# KiCad board pi60_HSE_v1.1.kicad_pcb
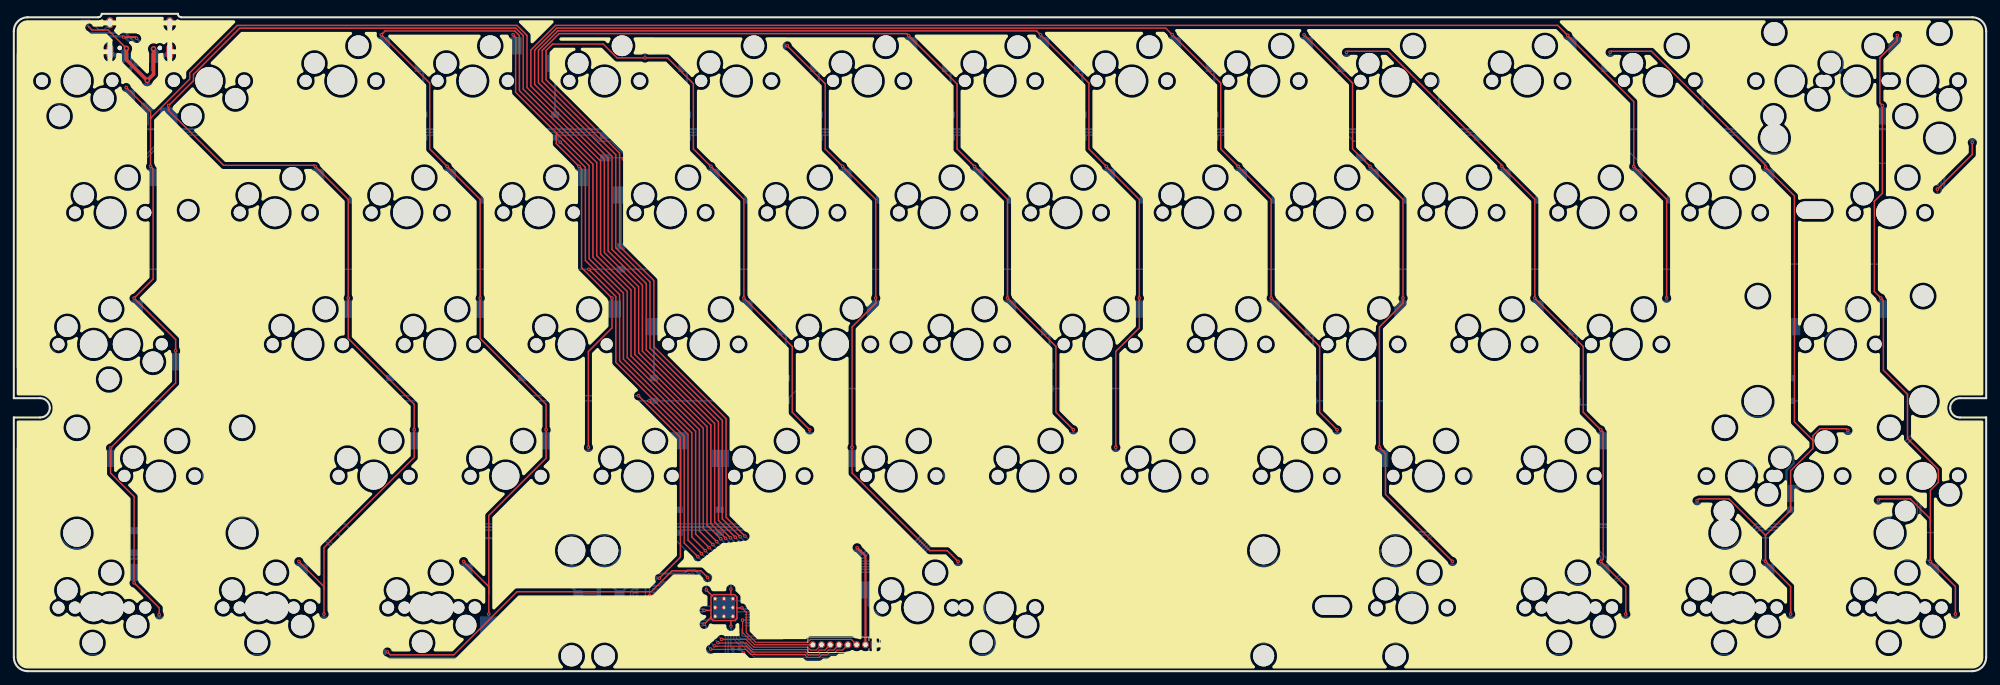
[diagram p0: board, top side]
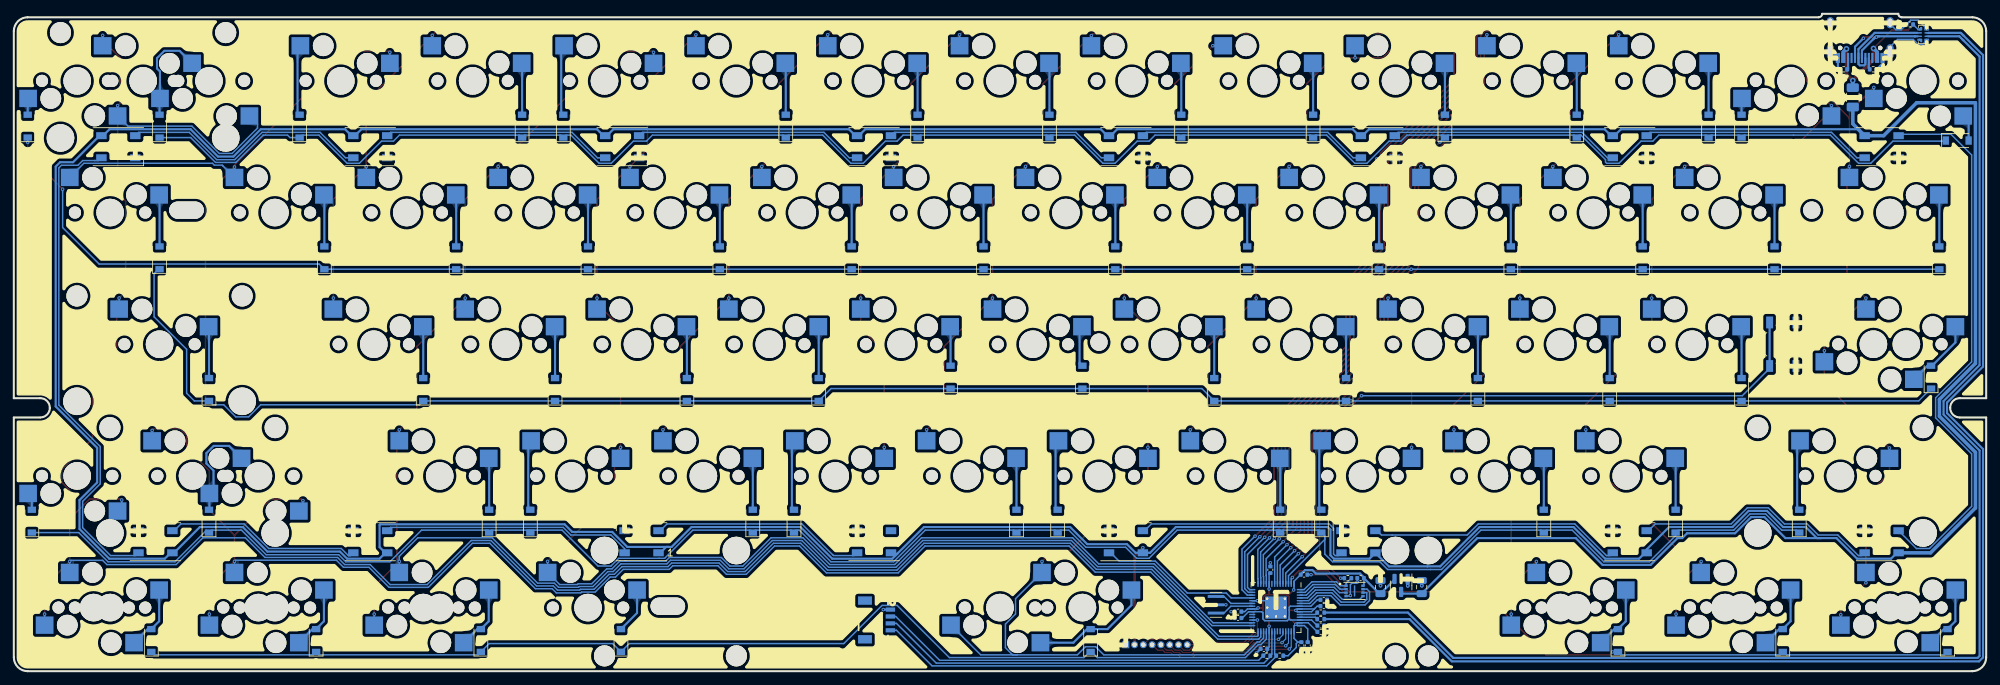
[diagram p1: board, bottom side, seen from below]

Outline 285 x 95.1 mm; copper layers: Top, Bottom. Coordinates in mm from the lower left corner of the outline.
Stack: Top 0.035mm / dielectric 0.48mm FR4 er 4.5 / Bottom 0.035mm

## Placement (name value [footprint] x y rotation side)
C1  100n  [C_0402_1005Metric]  95.72 10.32 180 bottom
C2  100n  [C_0402_1005Metric]  108.1 7.69 0 bottom
C3  100n  [C_0402_1005Metric]  95.72 9.4 180 bottom
C4  100n  [C_0402_1005Metric]  98.56 13.96 180 bottom
C5  100n  [C_0402_1005Metric]  104.37 3.22 0 bottom
C6  100n  [C_0402_1005Metric]  103.44 14.67 90 bottom
C7  100n  [C_0402_1005Metric]  108.1 8.61 0 bottom
C8  100n  [C_0402_1005Metric]  98.04 3.72 270 bottom
C9  100n  [C_0402_1005Metric]  98.96 3.72 270 bottom
C10  1u  [C_0402_1005Metric]  96.16 6.6 180 bottom
C11  1u  [C_0402_1005Metric]  96.16 5.68 180 bottom
C12  100n  [C_0402_1005Metric]  90.4 13.45 0 bottom
C13  10u  [C_0805_2012Metric]  81.56 12.16 90 bottom
C14  10u  [C_0805_2012Metric]  87.52 12.16 90 bottom
C15  1u  [C_0402_1005Metric]  11.04 93.56 0 bottom
D1  D  [D_SOD-123]  4.18 76.77 180 bottom
D2  D  [D_SOD-123]  35.34 78.85 90 bottom
D3  D  [D_SOD-123]  40.11 78.85 90 bottom
D4  D  [D_SOD-123]  59.16 78.85 90 bottom
D5  D  [D_SOD-123]  78.21 78.85 90 bottom
D6  D  [D_SOD-123]  97.26 78.85 90 bottom
D7  D  [D_SOD-123]  116.31 78.85 90 bottom
D8  D  [D_SOD-123]  135.36 78.85 90 bottom
D9  D  [D_SOD-123]  154.41 78.85 90 bottom
D10  D  [D_SOD-123]  173.46 78.85 90 bottom
D11  D  [D_SOD-123]  205.6 78.85 90 bottom
D12  D  [D_SOD-123]  211.56 78.85 90 bottom
D13  D  [D_SOD-123]  243.7 78.85 90 bottom
D14  D  [D_SOD-123]  263.94 78.85 90 bottom
D15  D  [D_SOD-123]  282.99 78.85 90 bottom
D16  D  [D_SOD-123]  6.77 59.8 90 bottom
D17  D  [D_SOD-123]  30.58 59.8 90 bottom
D18  D  [D_SOD-123]  49.63 59.8 90 bottom
D19  D  [D_SOD-123]  68.68 59.8 90 bottom
D20  D  [D_SOD-123]  87.73 59.8 90 bottom
D21  D  [D_SOD-123]  106.78 59.8 90 bottom
D22  D  [D_SOD-123]  125.83 59.8 90 bottom
D23  D  [D_SOD-123]  144.88 59.8 90 bottom
D24  D  [D_SOD-123]  163.93 59.8 90 bottom
D25  D  [D_SOD-123]  182.98 59.8 90 bottom
D26  D  [D_SOD-123]  202.03 59.8 90 bottom
D27  D  [D_SOD-123]  221.08 59.8 90 bottom
D28  D  [D_SOD-123]  240.13 59.8 90 bottom
D29  D  [D_SOD-123]  263.94 59.8 90 bottom
D30  D  [D_SOD-123]  7.96 42.54 90 bottom
D31  D  [D_SOD-123]  35.34 40.75 90 bottom
D32  D  [D_SOD-123]  54.39 40.75 90 bottom
D33  D  [D_SOD-123]  73.44 40.75 90 bottom
D34  D  [D_SOD-123]  92.49 40.75 90 bottom
D35  D  [D_SOD-123]  111.54 40.75 90 bottom
D36  D  [D_SOD-123]  130.59 42.54 90 bottom
D37  D  [D_SOD-123]  149.64 42.54 90 bottom
D38  D  [D_SOD-123]  168.69 40.75 90 bottom
D39  D  [D_SOD-123]  187.74 40.75 90 bottom
D40  D  [D_SOD-123]  206.79 40.75 90 bottom
D41  D  [D_SOD-123]  225.84 40.75 90 bottom
D42  D  [D_SOD-123]  256.8 40.75 90 bottom
D43  D  [D_SOD-123]  27.01 21.7 90 bottom
D44  D  [D_SOD-123]  44.87 21.7 90 bottom
D45  D  [D_SOD-123]  63.92 21.7 90 bottom
D46  D  [D_SOD-123]  96.07 21.7 90 bottom
D47  D  [D_SOD-123]  102.02 21.7 90 bottom
D48  D  [D_SOD-123]  134.17 21.7 90 bottom
D49  D  [D_SOD-123]  140.12 21.7 90 bottom
D50  D  [D_SOD-123]  172.27 21.7 90 bottom
D51  D  [D_SOD-123]  178.22 21.7 90 bottom
D52  D  [D_SOD-123]  210.37 21.7 90 bottom
D53  D  [D_SOD-123]  216.32 21.7 90 bottom
D54  D  [D_SOD-123]  256.8 21.7 90 bottom
D55  D  [D_SOD-123]  282.4 21.7 90 bottom
D56  D  [D_SOD-123]  5.58 4.44 90 bottom
D57  D  [D_SOD-123]  29.39 4.44 90 bottom
D58  D  [D_SOD-123]  53.2 4.44 90 bottom
D59  D  [D_SOD-123]  129.4 4.44 90 bottom
D60  D  [D_SOD-123]  197.27 4.44 90 bottom
D61  D  [D_SOD-123]  217.51 4.44 90 bottom
D62  D  [D_SOD-123]  241.32 4.44 90 bottom
D63  D  [D_SOD-123]  265.14 4.44 90 bottom
D64  WS2812B  [LED_WS2812B_PLCC4_5.0x5.0mm_P3.2mm]  15.1 75.87 180 bottom
D65  WS2812B  [LED_WS2812B_PLCC4_5.0x5.0mm_P3.2mm]  51.5 75.87 180 bottom
D66  WS2812B  [LED_WS2812B_PLCC4_5.0x5.0mm_P3.2mm]  87.9 75.87 180 bottom
D67  WS2812B  [LED_WS2812B_PLCC4_5.0x5.0mm_P3.2mm]  124.3 75.87 180 bottom
D68  WS2812B  [LED_WS2812B_PLCC4_5.0x5.0mm_P3.2mm]  160.7 75.87 180 bottom
D69  WS2812B  [LED_WS2812B_PLCC4_5.0x5.0mm_P3.2mm]  197.1 75.87 180 bottom
D70  WS2812B  [LED_WS2812B_PLCC4_5.0x5.0mm_P3.2mm]  233.5 75.87 180 bottom
D71  WS2812B  [LED_WS2812B_PLCC4_5.0x5.0mm_P3.2mm]  269.9 75.87 180 bottom
D72  WS2812B  [LED_WS2812B_PLCC4_5.0x5.0mm_P3.2mm]  264.54 18.72 0 bottom
D73  WS2812B  [LED_WS2812B_PLCC4_5.0x5.0mm_P3.2mm]  15.1 18.72 0 bottom
D74  WS2812B  [LED_WS2812B_PLCC4_5.0x5.0mm_P3.2mm]  51.5 18.72 0 bottom
D75  WS2812B  [LED_WS2812B_PLCC4_5.0x5.0mm_P3.2mm]  90.71 18.72 0 bottom
D76  WS2812B  [LED_WS2812B_PLCC4_5.0x5.0mm_P3.2mm]  124.3 18.72 0 bottom
D77  WS2812B  [LED_WS2812B_PLCC4_5.0x5.0mm_P3.2mm]  160.7 18.72 0 bottom
D78  WS2812B  [LED_WS2812B_PLCC4_5.0x5.0mm_P3.2mm]  194.29 18.72 0 bottom
D79  WS2812B  [LED_WS2812B_PLCC4_5.0x5.0mm_P3.2mm]  233.5 18.72 0 bottom
F1  Polyfuse_Small  [Fuse_1206_3216Metric]  19.27 83.02 90 bottom
G***  LOGO  [1up pi60HSE Logo 12mm 01]  157.38 18.13 0 top
J1  PCB Ground  [60_Outline-Modded]  142.5 47.3 0 top
J2  Conn_01x08_Female  [PinHeader_1x08_P1.27mm_Vertical]  124.33 3.82 270 top
J3  QWIIC_CONNECTORJS-1MM  [1X04_1MM_RA]  158.33 7.41 270 bottom
K1  Esc  [MXOnly-1U-Hotswap]  9.15 85.4 180 top
K2  1  [MXOnly-1U-Hotswap]  28.2 85.4 180 top
K3  2  [MXOnly-1U-Hotswap]  47.25 85.4 0 top
K4  3  [MXOnly-1U-Hotswap]  66.3 85.4 0 top
K5  4  [MXOnly-1U-Hotswap]  85.35 85.4 0 top
K6  5  [MXOnly-1U-Hotswap]  104.4 85.4 0 top
K7  6  [MXOnly-1U-Hotswap]  123.45 85.4 0 top
K8  7  [MXOnly-1U-Hotswap]  142.5 85.4 0 top
K9  8  [MXOnly-1U-Hotswap]  161.55 85.4 0 top
K10  9  [MXOnly-1U-Hotswap]  180.6 85.4 0 top
K11  0  [MXOnly-1U-Hotswap]  199.65 85.4 0 top
K12  -  [MXOnly-1U-Hotswap]  218.7 85.4 0 top
K13  =  [MXOnly-1U-Hotswap]  237.75 85.4 0 top
K14  Backspace 2u  [MXOnly-2U-Hotswap]  266.32 85.4 0 top
K15  \  [MXOnly-1U-Hotswap]  256.8 85.4 180 top
K16  `  [MXOnly-1U-Hotswap]  275.85 85.4 180 top
K17  Tab 1.5u  [MXOnly-1.5U-Hotswap]  13.91 66.35 0 top
K18  Q  [MXOnly-1U-Hotswap]  37.73 66.35 0 top
K19  W  [MXOnly-1U-Hotswap]  56.78 66.35 0 top
K20  E  [MXOnly-1U-Hotswap]  75.83 66.35 0 top
K21  R  [MXOnly-1U-Hotswap]  94.88 66.35 0 top
K22  T  [MXOnly-1U-Hotswap]  113.93 66.35 0 top
K23  Y  [MXOnly-1U-Hotswap]  132.98 66.35 0 top
K24  U  [MXOnly-1U-Hotswap]  152.02 66.35 0 top
K25  I  [MXOnly-1U-Hotswap]  171.07 66.35 0 top
K26  O  [MXOnly-1U-Hotswap]  190.12 66.35 0 top
K27  P  [MXOnly-1U-Hotswap]  209.17 66.35 0 top
K28  [  [MXOnly-1U-Hotswap]  228.22 66.35 0 top
K29  ]  [MXOnly-1U-Hotswap]  247.27 66.35 0 top
K30  \ 1.5u  [MXOnly-1.5U-Hotswap]  271.09 66.35 0 top
K31  Caps Stepped  [MXOnly-1.25U-Hotswap]  11.53 47.3 0 top
K32  Caps 1.75u  [MXOnly-1.75U-Hotswap]  16.29 47.3 180 top
K33  A  [MXOnly-1U-Hotswap]  42.49 47.3 0 top
K34  S  [MXOnly-1U-Hotswap]  61.54 47.3 0 top
K35  D  [MXOnly-1U-Hotswap]  80.59 47.3 0 top
K36  F  [MXOnly-1U-Hotswap]  99.64 47.3 0 top
K37  G  [MXOnly-1U-Hotswap]  118.69 47.3 0 top
K38  H  [MXOnly-1U-Hotswap]  137.74 47.3 0 top
K39  J  [MXOnly-1U-Hotswap]  156.79 47.3 0 top
K40  K  [MXOnly-1U-Hotswap]  175.84 47.3 0 top
K41  L  [MXOnly-1U-Hotswap]  194.89 47.3 0 top
K42  ;  [MXOnly-1U-Hotswap]  213.94 47.3 0 top
K43  '  [MXOnly-1U-Hotswap]  232.99 47.3 0 top
K44  Enter 2.25u  [MXOnly-2.25U-Hotswap]  263.94 47.3 0 top
K45  Shift 2.25u  [MXOnly-2.25U-Hotswap]  21.06 28.25 0 top
K46  Z  [MXOnly-1U-Hotswap]  52.01 28.25 0 top
K47  X  [MXOnly-1U-Hotswap]  71.06 28.25 0 top
K48  C  [MXOnly-1U-Hotswap]  90.11 28.25 0 top
K49  V  [MXOnly-1U-Hotswap]  109.16 28.25 0 top
K50  B  [MXOnly-1U-Hotswap]  128.21 28.25 0 top
K51  N  [MXOnly-1U-Hotswap]  147.26 28.25 0 top
K52  M  [MXOnly-1U-Hotswap]  166.31 28.25 0 top
K53  ,  [MXOnly-1U-Hotswap]  185.36 28.25 0 top
K54  .  [MXOnly-1U-Hotswap]  204.41 28.25 0 top
K55  /  [MXOnly-1U-Hotswap]  223.46 28.25 0 top
K56  Shift 2.75u  [MXOnly-2.75U-Hotswap]  259.18 28.25 0 top
K57  Shift 1.75u  [MXOnly-1.75U-Hotswap]  249.66 28.25 180 top
K58  FN  [MXOnly-1U-Hotswap]  275.85 28.25 180 top
K59  LCtrl 1.25u  [MXOnly-1.25U-Hotswap]  11.53 9.2 0 top
K60  LWin 1.25u  [MXOnly-1.25U-Hotswap]  35.34 9.2 0 top
K61  LAlt 1.25u  [MXOnly-1.25U-Hotswap]  59.16 9.2 0 top
K62  Space 6.25u  [MXOnly-6.25U-Hotswap-ReversedStabilizers]  130.59 9.2 0 top
K63  RAlt 1.25u  [MXOnly-1.25U-Hotswap]  202.03 9.2 0 top
K64  FN 1.25u  [MXOnly-1.25U-Hotswap]  225.84 9.2 180 top
K65  Meta 1.25u  [MXOnly-1.25U-Hotswap]  249.66 9.2 180 top
K66  RCtrl 1.25u  [MXOnly-1.25U-Hotswap]  273.47 9.2 180 top
K67  LCtrl 1.5u  [MXOnly-1.5U-Hotswap]  13.91 9.2 180 top
K68  LWin  [MXOnly-1U-Hotswap]  37.73 9.2 180 top
K69  LAlt 1.5u  [MXOnly-1.5U-Hotswap]  61.54 9.2 180 top
K70  Space 7u  [MXOnly-7U-Hotswap]  142.5 9.2 180 top
K71  FN 1.5u  [MXOnly-1.5U-Hotswap]  223.46 9.2 0 top
K72  Meta  [MXOnly-1U-Hotswap]  247.28 9.2 0 top
K73  RCtrl 1.5u  [MXOnly-1.5U-Hotswap]  271.09 9.2 0 top
R1  27  [R_0402_1005Metric]  96.16 8.47 0 bottom
R2  27  [R_0402_1005Metric]  96.16 7.53 0 bottom
R3  1k  [R_0402_1005Metric]  92.24 13.45 0 bottom
R4  2.2k  [R_0402_1005Metric]  102.08 2.24 0 bottom
R5  2.2k  [R_0402_1005Metric]  103.95 2.24 180 bottom
R6  5.1k  [R_0402_1005Metric]  16.32 87.07 0 bottom
R7  5.1k  [R_0402_1005Metric]  20.58 87.07 180 bottom
SW1  SW_Push  [SW_SPST_TL3342]  29.39 47.3 90 bottom
U1  RP2040  [RP2040-QFN-56]  102.61 9.2 270 bottom
U2  W25Q128JVS  [PSON50P300X200X60-9N]  91.27 11.61 180 bottom
U3  -  [ECMF02-4CMX8]  9.1 92.09 270 bottom
U4  XC6206PxxxMR  [SOT-23]  84.54 12.41 270 bottom
USB1  HRO-TYPE-C-31-M-12  [HRO-TYPE-C-31-M-12-Assembly]  18.2 96.41 0 bottom
Y1  Resonator  [3 Pin Resonator]  111.3 9.6 0 bottom

## Library data of the parts
J3 = -: Field4: CONN-13694

## Footprints (pads in the part's own frame, mm; a bottom-side part is the same pattern mirrored in y, then rotated)
1X04_1MM_RA
  rect 0.599x1.349 smd: 1(-1.499,0) 2(-0.498,0) 3(0.498,0) 4(1.499,0)
  rect 1.199x1.999 smd: NC1(2.799,-3.673) NC2(-2.799,-3.673)
3 Pin Resonator
  rect 2.362x0.406 smd: 1(0,1.2) 2(0,0) 3(0,-1.2)
60_Outline-Modded
  round 2.5 hole 2.5 unplated: (-117.3,19.4)
  oval 2.5x2.5 hole 2.5 unplated: (-14.3,0.3)
  oval 5x2.5 hole 5x2.5 unplated: (48,-37.9) (117.55,19.4)
C_0402_1005Metric
  rrect 0.56x0.62 smd: 1(-0.48,0) 2(0.48,0)
C_0805_2012Metric
  rrect 1x1.45 smd: 1(-0.95,0) 2(0.95,0)
D_SOD-123
  rect 0.9x1.2 smd: 1(-1.65,0) 2(1.65,0)
ECMF02-4CMX8
  custom 0.65x0.7 smd: 1(-0.75,-0.5) 4(0.75,-0.5) 5(0.75,0.5) 8(-0.75,0.5)
  rect 0.2x0.6 smd: 2(-0.25,-0.5) 3(0.25,-0.5) 6(0.25,0.5) 7(-0.25,0.5)
Fuse_1206_3216Metric
  rrect 1.25x1.75 smd: 1(-1.4,0) 2(1.4,0)
HRO-TYPE-C-31-M-12-Assembly
  round 0.65 hole 0.65 unplated: (-2.89,6.25) (2.89,6.25)
  rect 0.6x1.45 smd: 1(-3.225,7.695) 2(-2.45,7.695) 11(2.45,7.695) 12(3.225,7.695)
  rect 0.3x1.45 smd: 3(-1.75,7.695) 4(-1.25,7.695) 5(-0.75,7.695) 6(-0.25,7.695) 7(0.25,7.695) 8(0.75,7.695) 9(1.25,7.695) 10(1.75,7.695)
  oval 1x1.6 hole 0.6x1.2: 13(-4.32,2.6) 13(4.32,2.6)
  oval 1x2.1 hole 0.6x1.7: 13(-4.32,6.78) 13(4.32,6.78)
LED_WS2812B_PLCC4_5.0x5.0mm_P3.2mm
  rect 1.5x1 smd: 1(-2.45,1.6) 2(-2.45,-1.6) 3(2.45,-1.6) 4(2.45,1.6)
MXOnly-1.5U-Hotswap
  round 1.75 hole 1.75 unplated: (-5.08,0) (5.08,0)
  round 3 hole 3 unplated: (-3.81,2.54) (2.54,5.08)
  round 3.988 hole 3.988 unplated: (0,0)
  rect 2.55x2.5 smd far side: 1(-7.085,2.54) 2(5.842,5.08)
MXOnly-1.25U-Hotswap
  round 1.75 hole 1.75 unplated: (-5.08,0) (5.08,0)
  round 3 hole 3 unplated: (-3.81,2.54) (2.54,5.08)
  round 3.988 hole 3.988 unplated: (0,0)
  rect 2.55x2.5 smd far side: 1(-7.085,2.54) 2(5.842,5.08)
MXOnly-1.75U-Hotswap
  round 1.75 hole 1.75 unplated: (-5.08,0) (5.08,0)
  round 3 hole 3 unplated: (-3.81,2.54) (2.54,5.08)
  round 3.988 hole 3.988 unplated: (0,0)
  rect 2.55x2.5 smd far side: 1(-7.085,2.54) 2(5.842,5.08)
MXOnly-1U-Hotswap
  round 1.75 hole 1.75 unplated: (-5.08,0) (5.08,0)
  round 3 hole 3 unplated: (-3.81,2.54) (2.54,5.08)
  round 3.988 hole 3.988 unplated: (0,0)
  rect 2.55x2.5 smd far side: 1(-7.085,2.54) 2(5.842,5.08)
MXOnly-2.25U-Hotswap
  round 3.048 hole 3.048 unplated: (-11.938,6.985) (11.938,6.985)
  round 3.988 hole 3.988 unplated: (-11.938,-8.255) (0,0) (11.938,-8.255)
  round 1.75 hole 1.75 unplated: (-5.08,0) (5.08,0)
  round 3 hole 3 unplated: (-3.81,2.54) (2.54,5.08)
  rect 2.55x2.5 smd far side: 1(-7.085,2.54) 2(5.842,5.08)
MXOnly-2.75U-Hotswap
  round 3.048 hole 3.048 unplated: (-11.938,6.985) (11.938,6.985)
  round 3.988 hole 3.988 unplated: (-11.938,-8.255) (0,0) (11.938,-8.255)
  round 1.75 hole 1.75 unplated: (-5.08,0) (5.08,0)
  round 3 hole 3 unplated: (-3.81,2.54) (2.54,5.08)
  rect 2.55x2.5 smd far side: 1(-7.085,2.54) 2(5.842,5.08)
MXOnly-2U-Hotswap
  round 3.048 hole 3.048 unplated: (-11.938,6.985) (11.938,6.985)
  round 3.988 hole 3.988 unplated: (-11.938,-8.255) (0,0) (11.938,-8.255)
  round 1.75 hole 1.75 unplated: (-5.08,0) (5.08,0)
  round 3 hole 3 unplated: (-3.81,2.54) (2.54,5.08)
  rect 2.55x2.5 smd far side: 1(-7.085,2.54) 2(5.842,5.08)
MXOnly-6.25U-Hotswap-ReversedStabilizers
  round 3.988 hole 3.988 unplated: (-50,8.255) (0,0) (50,8.255)
  round 3.048 hole 3.048 unplated: (-50,-6.985) (50,-6.985)
  round 1.75 hole 1.75 unplated: (-5.08,0) (5.08,0)
  round 3 hole 3 unplated: (-3.81,2.54) (2.54,5.08)
  rect 2.55x2.5 smd far side: 1(-7.085,2.54) 2(5.842,5.08)
MXOnly-7U-Hotswap
  round 3.048 hole 3.048 unplated: (-57.15,6.985) (57.15,6.985)
  round 3.988 hole 3.988 unplated: (-57.15,-8.255) (0,0) (57.15,-8.255)
  round 1.75 hole 1.75 unplated: (-5.08,0) (5.08,0)
  round 3 hole 3 unplated: (-3.81,2.54) (2.54,5.08)
  rect 2.55x2.5 smd far side: 1(-7.085,2.54) 2(5.842,5.08)
PinHeader_1x08_P1.27mm_Vertical
  rect 1x1 hole 0.65: 1(0,0)
  oval 1x1 hole 0.65: 2(0,-1.27) 3(0,-2.54) 4(0,-3.81) 5(0,-5.08) 6(0,-6.35) 7(0,-7.62) 8(0,-8.89)
PSON50P300X200X60-9N
  rect 0.49x0.35 smd: 1(-1.22,0.75) 2(-1.22,0.25) 3(-1.22,-0.25) 4(-1.22,-0.75) 5(1.22,-0.75) 6(1.22,-0.25) 7(1.22,0.25) 8(1.22,0.75)
  rect 0.2x1.6 smd: 9(0,0)
R_0402_1005Metric
  rrect 0.54x0.64 smd: 1(-0.51,0) 2(0.51,0)
RP2040-QFN-56
  rrect 1.084x1.084 smd: (-0.637,-0.637) (-0.637,0.637) (0.637,-0.637) (0.637,0.637)
  rrect 0.875x0.2 smd: 1(-3.438,2.6) 2(-3.438,2.2) 3(-3.438,1.8) 4(-3.438,1.4) 5(-3.438,1) 6(-3.438,0.6) 7(-3.438,0.2) 8(-3.438,-0.2) 9(-3.438,-0.6) 10(-3.438,-1) 11(-3.438,-1.4) 12(-3.438,-1.8) 13(-3.438,-2.2) 14(-3.438,-2.6) 29(3.438,-2.6) 30(3.438,-2.2) 31(3.438,-1.8) 32(3.438,-1.4) 33(3.438,-1) 34(3.438,-0.6) 35(3.438,-0.2) 36(3.438,0.2) 37(3.438,0.6) 38(3.438,1) 39(3.438,1.4) 40(3.438,1.8) 41(3.438,2.2) 42(3.438,2.6)
  rrect 0.2x0.875 smd: 15(-2.6,-3.438) 16(-2.2,-3.438) 17(-1.8,-3.438) 18(-1.4,-3.438) 19(-1,-3.438) 20(-0.6,-3.438) 21(-0.2,-3.438) 22(0.2,-3.438) 23(0.6,-3.438) 24(1,-3.438) 25(1.4,-3.438) 26(1.8,-3.438) 27(2.2,-3.438) 28(2.6,-3.438) 43(2.6,3.438) 44(2.2,3.438) 45(1.8,3.438) 46(1.4,3.438) 47(1,3.438) 48(0.6,3.438) 49(0.2,3.438) 50(-0.2,3.438) 51(-0.6,3.438) 52(-1,3.438) 53(-1.4,3.438) 54(-1.8,3.438) 55(-2.2,3.438) 56(-2.6,3.438)
  round 0.6 hole 0.35: 57(-1.275,-1.275) 57(-1.275,0) 57(-1.275,1.275) 57(0,-1.275) 57(0,0) 57(0,1.275) 57(1.275,-1.275) 57(1.275,0) 57(1.275,1.275)
  rrect 3.2x3.2 smd: 57(0,0)
SOT-23
  rrect 1.475x0.6 smd: 1(-0.938,0.95) 2(-0.938,-0.95) 3(0.938,0)
SW_SPST_TL3342
  rect 1.7x1 smd: 1(-3.15,1.9) 1(3.15,1.9) 2(-3.15,-1.9) 2(3.15,-1.9)

## Nets
+1V1: C1.1 C2.1 C10.1 U1.23 U1.45 U1.50
+3V3: C3.1 C4.1 C5.1 C6.1 C7.1 C8.1 C9.1 C11.1 C12.1 C14.1 J2.3 J3.2 R4.1 R5.1 U1.1 U1.10 U1.22 U1.33 U1.42 U1.43 U1.44 U1.48 U1.49 U2.8 U4.2
+5V: C13.1 D64.1 D65.1 D66.1 D67.1 D68.1 D69.1 D70.1 D71.1 D72.1 D73.1 D74.1 D75.1 D76.1 D77.1 D78.1 D79.1 F1.1 J2.2 U4.3
GND: C1.2 C2.2 C3.2 C4.2 C5.2 C6.2 C7.2 C8.2 C9.2 C10.2 C11.2 C12.2 C13.2 C14.2 C15.2 D64.3 D65.3 D66.3 D67.3 D68.3 D69.3 D70.3 D71.3 D72.3 D73.3 D74.3 D75.3 D76.3 D77.3 D78.3 D79.3 J2.1 J3.1 R6.1 R7.1 SW1.2 U1.19 U1.57 U2.4 U3.5 U3.8 U4.1 USB1.1 USB1.12 USB1.13 Y1.2
VCC: C15.1 F1.2 U3.1 USB1.2 USB1.11
/GPIO7: U1.9
/GPIO24: U1.36
/GPIO25: U1.37
/GPIO26_ADC0: J2.7 U1.38
/GPIO27_ADC1: J2.6 U1.39
/GPIO28_ADC2: J2.5 U1.40
/GPIO29_ADC3: J2.4 U1.41
/QSPI_SCLK: U1.52 U2.6
/QSPI_SD0: U1.53 U2.5
/QSPI_SD1: U1.55 U2.2
/QSPI_SD2: U1.54 U2.3
/QSPI_SD3: U1.51 U2.7
/QSPI_SS: R3.1 U1.56 U2.1
/RUN: J2.8 U1.26
/SCL: J3.4 R4.2 U1.35
/SDA: J3.3 R5.2 U1.34
/SWCLK: U1.24
/SWD: U1.25
/XIN: U1.20 Y1.3
/XOUT: U1.21 Y1.1
C0: K1.1 K17.2 K31.2 K32.1 K45.1 K59.2 K67.1 U1.12
C1: K2.2 K18.2 K33.2 K46.2 K60.2 K68.1 U1.11
C2: K3.2 K19.2 K34.2 K47.2 K61.2 K69.1 U1.8
C3: K4.2 K20.2 K35.2 K48.1 U1.7
C4: K5.2 K21.2 K36.2 K49.2 U1.17
C5: K6.2 K22.2 K37.2 K50.1 K62.2 K70.1 U1.31
C6: K7.2 K23.2 K38.2 K51.2 U1.16
C7: K8.2 K24.2 K39.2 K52.1 U1.15
C8: K9.2 K25.2 K40.2 K53.2 U1.14
C9: K10.2 K26.2 K41.2 K54.1 K63.2 U1.27
C10: K11.1 K27.2 K42.2 K55.2 K64.1 K71.2 U1.28
C11: K12.2 K28.2 K43.2 U1.13
C12: K13.1 K29.2 K30.2 K56.2 K57.2 K65.1 K72.2 U1.30
C13: K14.2 K15.2 K16.2 K44.2 K58.2 K66.1 K73.2 U1.29
CC1: R6.2 USB1.4
CC2: R7.2 USB1.10
DN_MCU: R2.1 U3.7
DN_USB: U3.2 USB1.5 USB1.7
DP_MCU: R1.1 U3.6
DP_USB: U3.3 USB1.6 USB1.8
LED: D76.4 U1.18
R0: D1.1 D2.1 D3.1 D4.1 D5.1 D6.1 D7.1 D8.1 D9.1 D10.1 D11.1 D12.1 D13.1 D14.1 U1.6
R1: D15.1 D16.1 D17.1 D18.1 D19.1 D20.1 D21.1 D22.1 D23.1 D24.1 D25.1 D26.1 D27.1 D28.1 U1.5
R2: D29.1 D30.1 D31.1 D32.1 D33.1 D34.1 D35.1 D36.1 D37.1 D38.1 D39.1 D40.1 D41.1 D42.1 U1.4
R3: D43.1 D44.1 D45.1 D46.1 D47.1 D48.1 D49.1 D50.1 D51.1 D52.1 D53.1 D54.1 D55.1 U1.3
R4: D56.1 D57.1 D58.1 U1.2
R5: D59.1 D60.1 D61.1 D62.1 D63.1 U1.32
Net-(D1-Pad2): D1.2 K1.2
Net-(D2-Pad2): D2.2 K2.1
Net-(D3-Pad2): D3.2 K3.1
Net-(D4-Pad2): D4.2 K4.1
Net-(D5-Pad2): D5.2 K5.1
Net-(D6-Pad2): D6.2 K6.1
Net-(D7-Pad2): D7.2 K7.1
Net-(D8-Pad2): D8.2 K8.1
Net-(D9-Pad2): D9.2 K9.1
Net-(D10-Pad2): D10.2 K10.1
Net-(D11-Pad2): D11.2 K11.2
Net-(D12-Pad2): D12.2 K12.1
Net-(D13-Pad2): D13.2 K13.2
Net-(D14-Pad2): D14.2 K14.1 K15.1
Net-(D15-Pad2): D15.2 K16.1
Net-(D16-Pad2): D16.2 K17.1
Net-(D17-Pad2): D17.2 K18.1
Net-(D18-Pad2): D18.2 K19.1
Net-(D19-Pad2): D19.2 K20.1
Net-(D20-Pad2): D20.2 K21.1
Net-(D21-Pad2): D21.2 K22.1
Net-(D22-Pad2): D22.2 K23.1
Net-(D23-Pad2): D23.2 K24.1
Net-(D24-Pad2): D24.2 K25.1
Net-(D25-Pad2): D25.2 K26.1
Net-(D26-Pad2): D26.2 K27.1
Net-(D27-Pad2): D27.2 K28.1
Net-(D28-Pad2): D28.2 K29.1
Net-(D29-Pad2): D29.2 K30.1
Net-(D30-Pad2): D30.2 K31.1 K32.2
Net-(D31-Pad2): D31.2 K33.1
Net-(D32-Pad2): D32.2 K34.1
Net-(D33-Pad2): D33.2 K35.1
Net-(D34-Pad2): D34.2 K36.1
Net-(D35-Pad2): D35.2 K37.1
Net-(D36-Pad2): D36.2 K38.1
Net-(D37-Pad2): D37.2 K39.1
Net-(D38-Pad2): D38.2 K40.1
Net-(D39-Pad2): D39.2 K41.1
Net-(D40-Pad2): D40.2 K42.1
Net-(D41-Pad2): D41.2 K43.1
Net-(D42-Pad2): D42.2 K44.1
Net-(D43-Pad2): D43.2 K45.2
Net-(D44-Pad2): D44.2 K46.1
Net-(D45-Pad2): D45.2 K47.1
Net-(D46-Pad2): D46.2 K48.2
Net-(D47-Pad2): D47.2 K49.1
Net-(D48-Pad2): D48.2 K50.2
Net-(D49-Pad2): D49.2 K51.1
Net-(D50-Pad2): D50.2 K52.2
Net-(D51-Pad2): D51.2 K53.1
Net-(D52-Pad2): D52.2 K54.2
Net-(D53-Pad2): D53.2 K55.1
Net-(D54-Pad2): D54.2 K56.1 K57.1
Net-(D55-Pad2): D55.2 K58.1
Net-(D56-Pad2): D56.2 K59.1 K67.2
Net-(D57-Pad2): D57.2 K60.1 K68.2
Net-(D58-Pad2): D58.2 K61.1 K69.2
Net-(D59-Pad2): D59.2 K62.1 K70.2
Net-(D60-Pad2): D60.2 K63.1
Net-(D61-Pad2): D61.2 K64.2 K71.1
Net-(D62-Pad2): D62.2 K65.2 K72.1
Net-(D63-Pad2): D63.2 K66.2 K73.1
Net-(D64-Pad2): D64.2 D65.4
Net-(D64-Pad4): D64.4 D73.2
Net-(D65-Pad2): D65.2 D66.4
Net-(D66-Pad2): D66.2 D67.4
Net-(D67-Pad2): D67.2 D68.4
Net-(D68-Pad2): D68.2 D69.4
Net-(D69-Pad2): D69.2 D70.4
Net-(D70-Pad2): D70.2 D71.4
Net-(D71-Pad2): D71.2 D72.4
Net-(D72-Pad2): D72.2 D79.4
Net-(D73-Pad4): D73.4 D74.2
Net-(D74-Pad4): D74.4 D75.2
Net-(D75-Pad4): D75.4 D76.2
Net-(D77-Pad4): D77.4 D78.2
Net-(D78-Pad4): D78.4 D79.2
Net-(R1-Pad2): R1.2 U1.47
Net-(R2-Pad2): R2.2 U1.46
Net-(R3-Pad2): R3.2 SW1.1

Pads without a net: D77 2; J3 NC1 NC2; U2 9; U3 4; USB1 3 9

## Via types
v1: diameter 0.5, hole 0.25, Top to Bottom, 141 vias
v2: diameter 0.8, hole 0.4, Top to Bottom, 3 vias
v3: diameter 0.305, hole 0.152, Top to Bottom, 1 via

## Routing (per net, layer and track width the routed paths; a pad name or vN(x,y) marks a point on that pad's centre or on a via; arc(x,y) is an arc through that point)
+1V1: length 19.4
  Bottom w0.2: 100.72,7.56 100.55,7.4 U1.45 97.47,7.4 96.68,6.6 ; 100.72,7.56 100.72,9.24 100.55,9.4 U1.50 97.57,9.4 96.65,10.32 C1.1 ; 100.72,7.56 100.98,7.3 104.25,7.3 104.51,7.56 104.51,8.44 104.68,8.6 U1.23 106.58,8.6 107.49,7.69
+3V3: length 148.4
  Top w0.152: v1(105.21,9.15) 105.83,8.52 105.83,5.56 107.22,4.18 114.69,4.18 115.12,4.6 121.01,4.6 J2.3
  Top w0.2: 100.74,8.83 100.71,8.8 v1(99.75,8.8) ; 100.74,8.83 100.74,10.72 100.91,10.9 ; 100.74,8.83 100.74,7.87 ; 100.91,10.9 101.09,11.07 103.68,11.07 ; 100.91,10.9 100.06,11.75 v1(100.06,11.75) ; v1(99.75,6.8) 100.74,7.79 100.74,7.87 ; v1(103.61,6.51) 103.61,7.29 103.65,7.33 ; 103.68,11.07 104.14,11.07 104.49,10.72 104.49,9.15 ; 103.68,11.07 103.61,11.14 v1(103.61,11.89) ; 104.49,9.15 104.49,9.15 v1(105.21,9.15) ; 104.49,9.15 104.49,7.68 104.14,7.33 103.65,7.33 ; 100.74,7.87 100.74,7.68 101.09,7.33 103.65,7.33
  Bottom w0.2: 99.48,4.2 99.69,3.99 99.69,3.43 100.88,2.24 R4.1 ; 99.48,4.2 C9.1 ; 99.48,4.2 100.01,4.74 U1.42 100.01,6.54 v1(99.75,6.8) ; C12.1 89.92,12.49 U2.8 ; 96.65,5.68 97.96,7 U1.44 99.55,7 v1(99.75,6.8) ; v1(100.06,11.75) 100.01,11.8 U1.1 100.01,13.01 99.06,13.96 ; C8.1 98.04,6.1 98.53,6.6 U1.43 99.55,6.6 v1(99.75,6.8) ; 103.61,14.19 U1.10 v1(103.61,11.89) ; v1(105.21,9.15) 105.36,9 U1.22 106.75,9 107.13,8.61 C7.1 ; v1(103.61,6.51) U1.33 103.61,3.5 C5.1 103.89,2.81 R5.1 105.13,1.57 151.22,1.57 157.56,7.91 J3.2 ; C3.1 96.67,9.4 97.07,9 U1.49 99.55,9 v1(99.75,8.8) 99.55,8.6 U1.48 97.47,8.6 96.91,9.17
  Bottom w0.3: 99.04,14 98.43,14.62 97.36,14.62 96.86,14.12 90.47,14.12 89.92,13.57 ; 85.49,13.24 C14.1 ; 87.68,11.21 C12.1
+5V: length 808.4
  Top w0.3: v1(121.86,17.87) 123.06,16.67 J2.2
  Bottom w0.3: 23.88,19.25 21.63,19.25 18.65,16.28 13.75,16.28 12.9,17.12 ; 23.88,19.25 24.46,19.25 26.06,20.85 29.33,20.85 31.67,23.19 34.32,23.19 36.66,20.85 45.82,20.85 49.05,17.62 D74.1 ; 23.88,19.25 29.01,19.25 32.04,22.29 33.95,22.29 36.29,19.95 43.22,19.95 43.92,19.25 44.6,19.25 48.48,15.38 55.42,15.38 59.3,19.25 73.53,19.25 C13.1 84.29,11.21 U4.3 ; 231.33,17.12 232.15,17.95 232.15,21.17 232.07,21.25 205.42,21.25 204.32,20.15 198.53,20.15 196.36,17.97 190.4,17.97 ; 261.85,17.12 258.12,20.85 251.91,20.85 248.36,17.3 237.87,17.3 236.85,16.28 232.16,16.28 231.31,17.12 ; 18.4,78.32 18.48,78.4 52.77,78.4 53.7,77.47 ; D76.1 120.81,17.12 117.09,20.85 95.12,20.85 94.75,20.49 94.75,16.77 94.26,16.28 89.11,16.28 D75.1 ; D76.1 121.85,17.87 v1(121.86,17.87) ; D76.1 122.91,17.12 124.16,18.37 129.88,18.37 132.36,20.85 153.49,20.85 157.31,17.02 ; 90.61,77.47 91.53,78.4 125.57,78.4 126.5,77.47 ; 162.9,77.47 161.97,78.4 127.93,78.4 127.01,77.47 ; 272.6,77.47 276.44,73.63 278.31,73.63 278.95,72.99 278.95,38.3 272.96,32.31 272.96,27.3 275.51,24.75 275.51,20.58 271.21,16.28 263.19,16.28 262.34,17.12 ; 199.3,77.47 198.37,78.4 164.32,78.4 163.4,77.47 ; 236.21,77.47 237.13,78.4 249.32,78.4 253.27,74.45 255.5,74.45 259.45,78.4 271.17,78.4 272.1,77.47 ; 88.26,17.12 86.3,15.16 80.74,15.16 78.89,15.16 73.2,20.85 59.63,20.85 55.05,16.28 50.16,16.28 49.31,17.12 ; 157.31,17.02 158.06,16.28 166.74,16.28 171.32,20.85 187.08,20.85 189.95,17.97 190.4,17.97 ; 157.31,17.02 157.56,16.77 157.9,16.77 ; 190.4,17.97 190.74,17.97 191.59,17.12 ; 235.71,77.47 234.78,78.4 200.73,78.4 199.81,77.47 ; 54.21,77.47 55.13,78.4 89.18,78.4 90.11,77.47